# Altium PCB NURIP.PcbDoc (part 11 of 14)
Units mil, origin at the board's own origin, x right, y up, seen from the top; angles counter-clockwise.
Board outline 7096.64 x 6702.94 mil, 6 copper layers (L1, L2, L3, L4, L5, L6), stack 48.469 mil thick; 305 components, 426 nets, 2172 pads, 1040 vias.
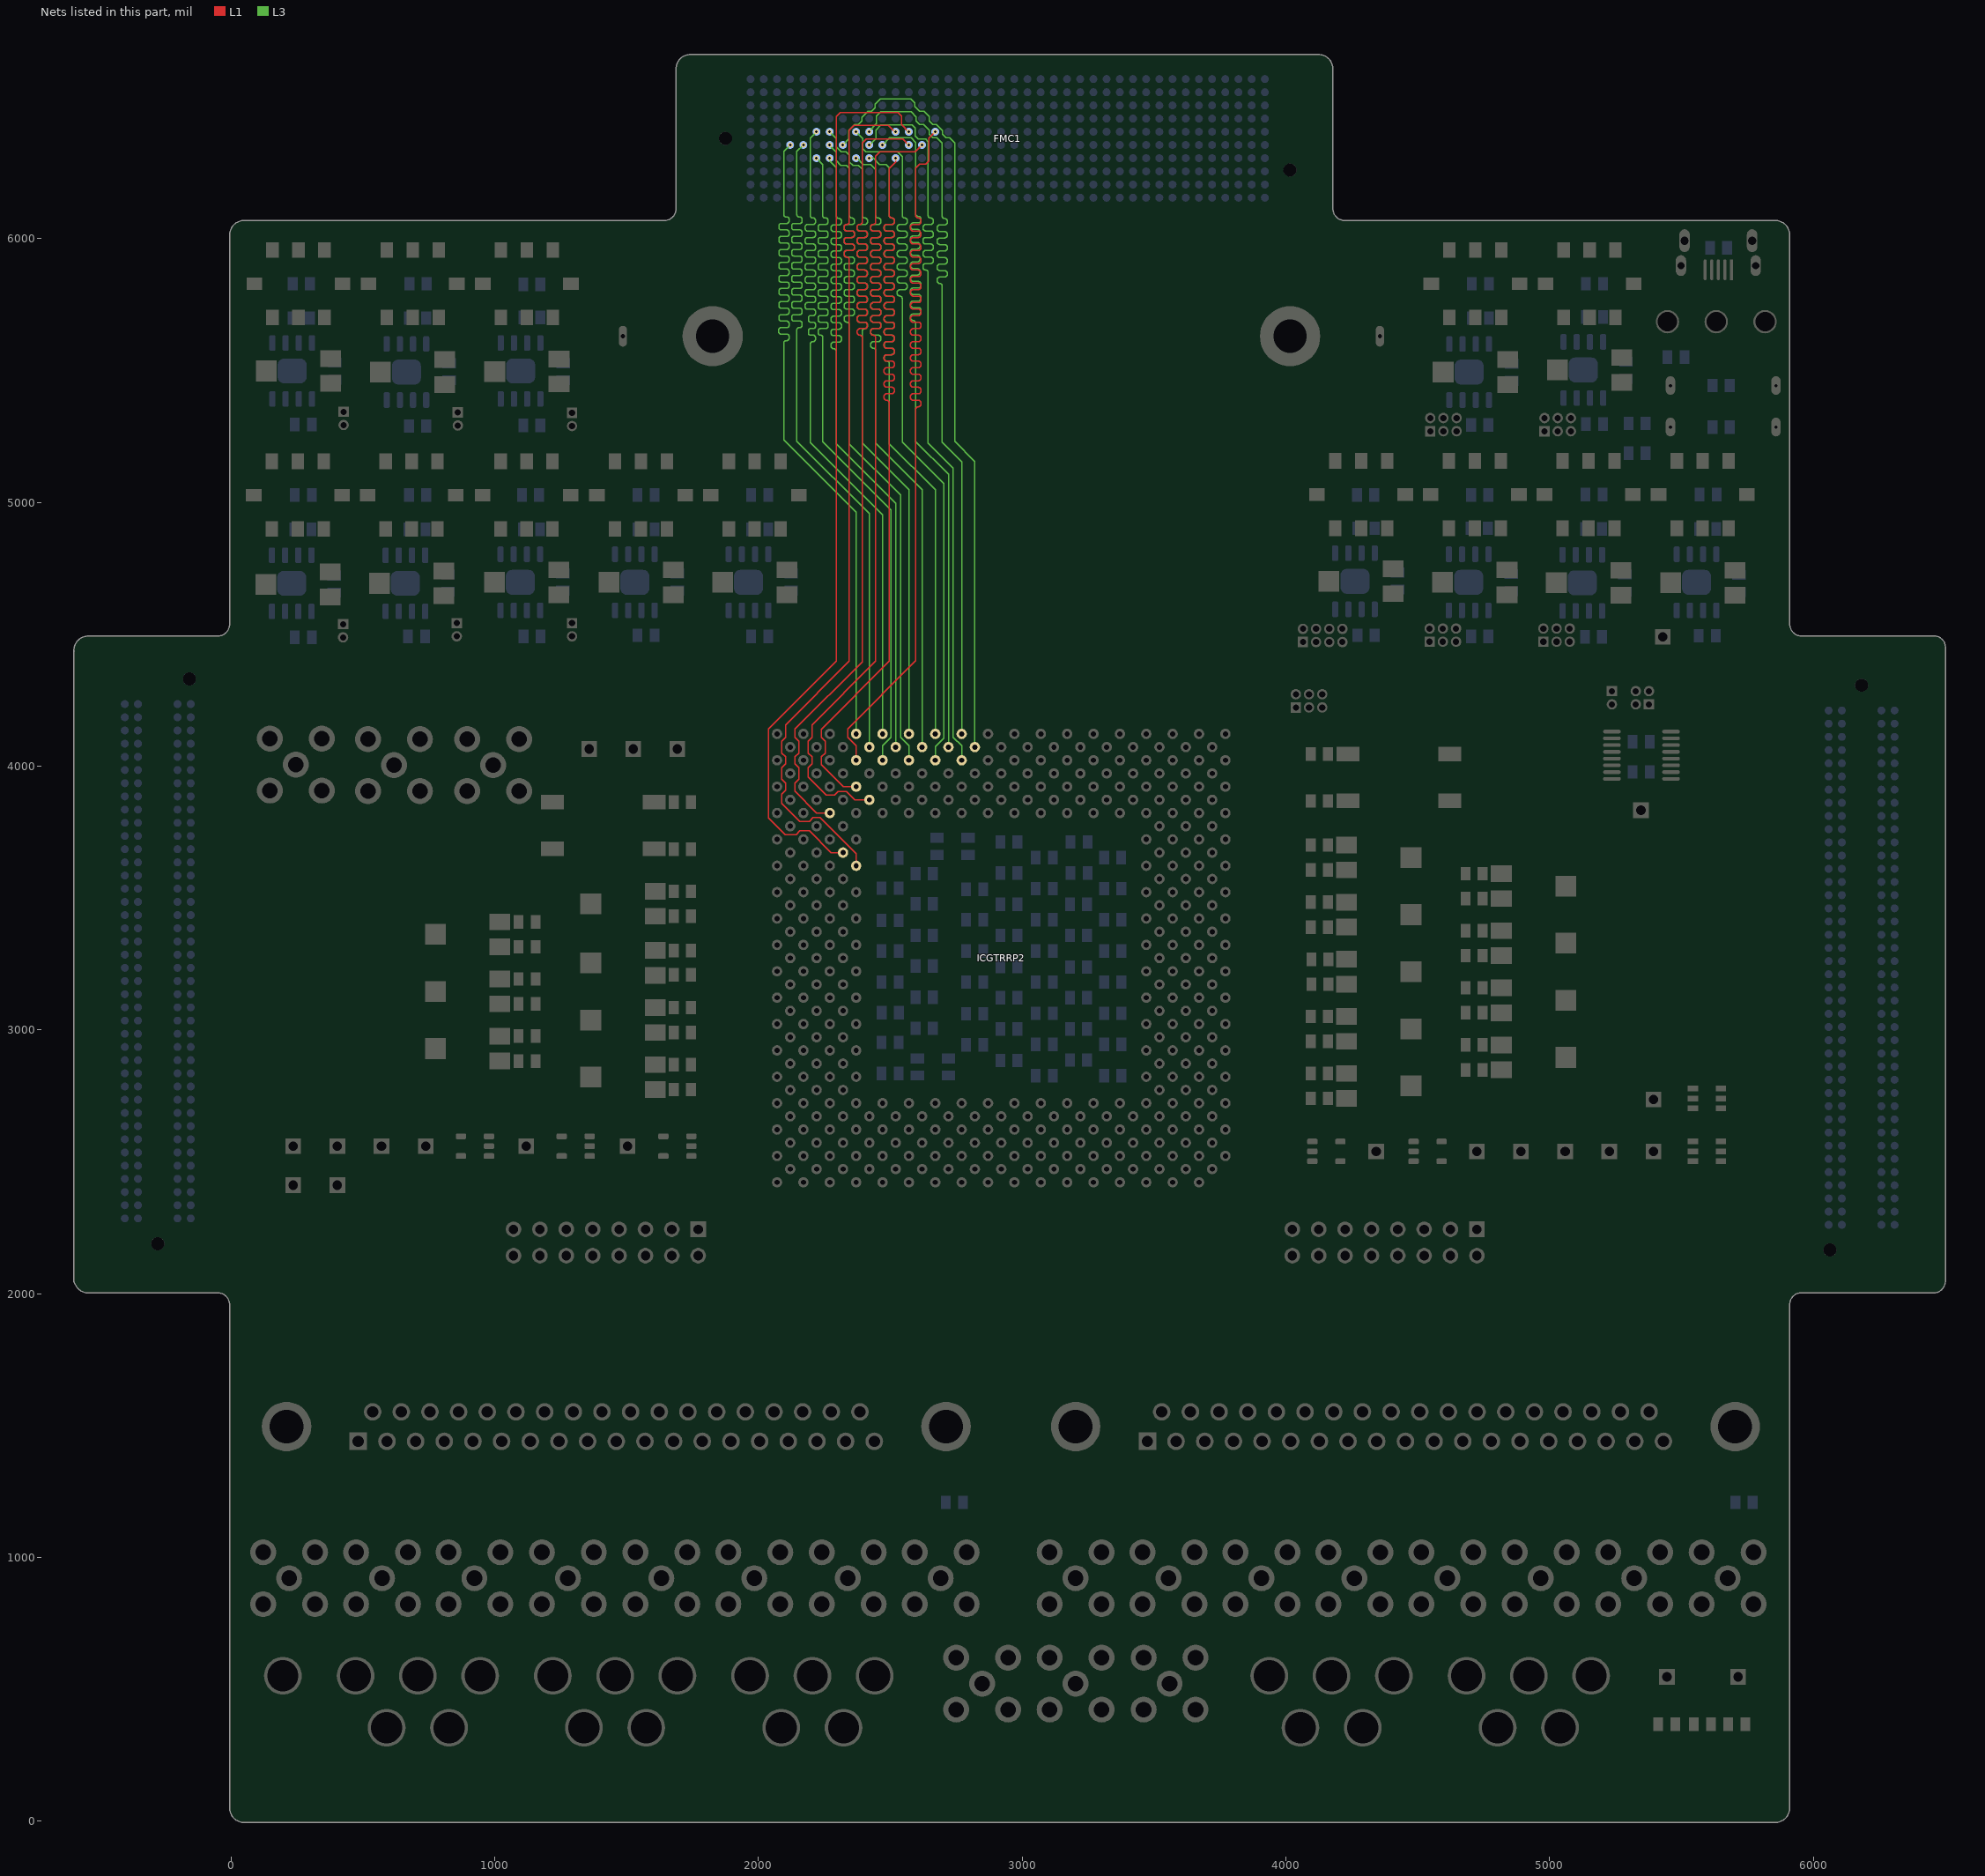
[diagram p15: the nets of this part, all layers, seen from the top]

## Via types
v1: diameter 20, hole 10, L1 to L6, tented both sides, 908 vias
v2: diameter 19.68, hole 7.87, L1 to L6, 126 vias
v3: diameter 196.85, hole 118.11, L1 to L6, 6 vias

## Nets (pads, with @x,y where several pads share a name; then routed paths per layer and width w, separated by ;. In a path a pad name is that pad's centre, name@x,y a point inside that pad or via, vN(x,y) a via of type N, cw(c..) or ccw(c..) an arc to the next point about the centre after c; other vN are vias at no path point) (continued)
OFF_MEM_DIN(10): FMC1.G12 ICGTRRP2.AL29 | length 3443.8
  L1 w5: ICGTRRP2.AL29@2370.71,3922.2 2321.89,3922.2 2238.52,4005.57 2238.52,4035.54 2252.89,4049.91 2252.89,4094.5 2238.52,4108.87 2238.52,4140.1 2496.06,4397.64 2496.06,5346.46 2496.06,5377.18 ccw(c2486.21,5377.18) 2486.21,5387.03 2486.39,5387.03 cw(c2486.4,5396.9) 2476.52,5396.9 2476.52,5401.84 cw(c2486.4,5401.84) 2486.4,5411.71 2496.06,5411.71 2505.73,5411.71 ccw(c2505.73,5421.59) 2515.6,5421.59 2515.6,5426.52 ccw(c2505.73,5426.52) 2505.73,5436.4 2496.06,5436.4 2486.4,5436.4 cw(c2486.4,5446.27) 2476.52,5446.27 2476.52,5451.21 cw(c2486.4,5451.21) 2486.4,5461.08 2496.06,5461.08 2505.73,5461.08 ccw(c2505.73,5470.96) 2515.6,5470.96 2515.6,5475.89 ccw(c2505.73,5475.89) 2505.73,5485.77 2496.06,5485.77 2486.4,5485.77 cw(c2486.4,5495.64) 2476.52,5495.64 2476.52,5500.58 cw(c2486.4,5500.58) 2486.4,5510.45 2496.06,5510.45 2505.73,5510.45 ccw(c2505.73,5520.33) 2515.6,5520.33 2515.6,5525.26 ccw(c2505.73,5525.26) 2505.73,5535.14 2496.06,5535.14 2486.4,5535.14 cw(c2486.4,5545.01) 2476.52,5545.01 2476.52,5549.95 cw(c2486.4,5549.95) 2486.4,5559.82 2496.06,5559.82 2505.73,5559.82 ccw(c2505.73,5569.7) 2515.6,5569.7 2515.6,5574.63 ccw(c2505.73,5574.63) 2505.73,5584.51 2496.06,5584.51 2486.4,5584.51 cw(c2486.4,5594.38) 2476.52,5594.38 2476.52,5599.32 cw(c2486.4,5599.32) 2486.4,5609.19 2496.06,5609.19 2505.73,5609.19 ccw(c2505.73,5619.07) 2515.6,5619.07 2515.6,5624 ccw(c2505.73,5624) 2505.73,5633.88 2496.06,5633.88 2486.4,5633.88 cw(c2486.4,5643.75) 2476.52,5643.75 2476.52,5648.69 cw(c2486.4,5648.69) 2486.4,5658.56 2496.06,5658.56 2505.73,5658.56 ccw(c2505.73,5668.44) 2515.6,5668.44 2515.6,5673.37 ccw(c2505.73,5673.37) 2505.73,5683.25 2496.06,5683.25 2486.4,5683.25 cw(c2486.4,5693.12) 2476.52,5693.12 2476.52,5698.06 cw(c2486.4,5698.06) 2486.4,5707.93 2496.06,5707.93 2505.73,5707.93 ccw(c2505.73,5717.81) 2515.6,5717.81 2515.6,5722.74 ccw(c2505.73,5722.74) 2505.73,5732.62 2496.06,5732.62 2486.4,5732.62 cw(c2486.4,5742.49) 2476.52,5742.49 2476.52,5747.43 cw(c2486.4,5747.43) 2486.4,5757.3 2496.06,5757.3 2505.73,5757.3 ccw(c2505.73,5767.18) 2515.6,5767.18 2515.6,5772.11 ccw(c2505.73,5772.11) 2505.73,5781.99 2496.06,5781.99 2486.4,5781.99 cw(c2486.4,5791.86) 2476.52,5791.86 2476.52,5796.8 cw(c2486.4,5796.8) 2486.4,5806.67 2496.06,5806.67 2505.73,5806.67 ccw(c2505.73,5816.55) 2515.6,5816.55 2515.6,5821.48 ccw(c2505.73,5821.48) 2505.73,5831.36 2496.06,5831.36 2486.4,5831.36 cw(c2486.4,5841.23) 2476.52,5841.23 2476.52,5846.17 cw(c2486.4,5846.17) 2486.4,5856.04 2496.06,5856.04 2505.73,5856.04 ccw(c2505.73,5865.92) 2515.6,5865.92 2515.6,5870.85 ccw(c2505.73,5870.85) 2505.73,5880.73 2496.06,5880.73 2486.4,5880.73 cw(c2486.4,5890.6) 2476.52,5890.6 2476.52,5895.54 cw(c2486.4,5895.54) 2486.4,5905.41 2496.06,5905.41 2505.73,5905.41 ccw(c2505.73,5915.29) 2515.6,5915.29 2515.6,5920.22 ccw(c2505.73,5920.22) 2505.73,5930.1 2496.06,5930.1 2486.4,5930.1 cw(c2486.4,5939.97) 2476.52,5939.97 2476.52,5944.91 cw(c2486.4,5944.91) 2486.4,5954.78 2496.06,5954.78 2505.73,5954.78 ccw(c2505.73,5964.66) 2515.6,5964.66 2515.6,5969.59 ccw(c2505.73,5969.59) 2505.73,5979.47 2496.06,5979.47 2486.4,5979.47 cw(c2486.4,5989.34) 2476.52,5989.34 2476.52,5994.28 cw(c2486.4,5994.28) 2486.4,6004.15 2496.06,6004.15 2505.73,6004.15 ccw(c2505.73,6014.03) 2515.6,6014.03 2515.6,6018.96 ccw(c2505.73,6018.96) 2505.73,6028.84 2496.06,6028.84 2486.4,6028.84 cw(c2486.4,6038.71) 2476.52,6038.71 2476.52,6043.65 cw(c2486.4,6043.65) 2486.4,6053.52 2496.06,6053.52 2505.92,6053.52 ccw(c2505.92,6063.4) 2515.79,6063.4 2515.79,6068.33 ccw(c2505.92,6068.33) 2505.92,6078.21 cw(c2505.92,6088.06) 2496.06,6088.06 2496.06,6090.55 2496.06,6265.75 2520.24,6289.92 v1(2520.24,6304.92)
OFF_MEM_DIN(11): FMC1.F14 ICGTRRP2.AK28 | length 3444.6
  L1 w5: ICGTRRP2.AK28@2420.71,3872.2 2366.23,3872.2 2334.04,3904.39 2302.89,3904.39 2288.52,3890.02 2257.38,3890.02 2188.52,3958.87 2188.52,3994.5 2202.89,4008.87 2202.89,4035.54 2188.52,4049.91 2188.52,4094.5 2202.89,4108.87 2202.89,4155.65 2444.88,4397.64 2444.88,5529.53 2444.88,5624.03 ccw(c2435.03,5624.03) 2435.03,5633.88 2435.61,5633.88 ; 2435.64,5633.88 cw(c2435.64,5643.75) 2425.77,5643.75 2425.77,5648.69 cw(c2435.64,5648.69) 2435.64,5658.56 2444.88,5658.56 2454.12,5658.56 ccw(c2454.12,5668.44) 2463.99,5668.44 2463.99,5673.37 ccw(c2454.12,5673.37) 2454.12,5683.25 2444.88,5683.25 2435.64,5683.25 cw(c2435.64,5693.12) 2425.77,5693.12 2425.77,5698.06 cw(c2435.64,5698.06) 2435.64,5707.93 2444.88,5707.93 2454.12,5707.93 ccw(c2454.12,5717.81) 2463.99,5717.81 2463.99,5722.74 ccw(c2454.12,5722.74) 2454.12,5732.62 2444.88,5732.62 2435.64,5732.62 cw(c2435.64,5742.49) 2425.77,5742.49 2425.77,5747.43 cw(c2435.64,5747.43) 2435.64,5757.3 2444.88,5757.3 2454.12,5757.3 ccw(c2454.12,5767.18) 2463.99,5767.18 2463.99,5772.11 ccw(c2454.12,5772.11) 2454.12,5781.99 2444.88,5781.99 2435.64,5781.99 cw(c2435.64,5791.86) 2425.77,5791.86 2425.77,5796.8 cw(c2435.64,5796.8) 2435.64,5806.67 2444.88,5806.67 2454.12,5806.67 ccw(c2454.12,5816.55) 2463.99,5816.55 2463.99,5821.48 ccw(c2454.12,5821.48) 2454.12,5831.36 2444.88,5831.36 2435.64,5831.36 cw(c2435.64,5841.23) 2425.77,5841.23 2425.77,5846.17 cw(c2435.64,5846.17) 2435.64,5856.04 2444.88,5856.04 2454.12,5856.04 ccw(c2454.12,5865.92) 2463.99,5865.92 2463.99,5870.85 ccw(c2454.12,5870.85) 2454.12,5880.73 2444.88,5880.73 2435.64,5880.73 cw(c2435.64,5890.6) 2425.77,5890.6 2425.77,5895.54 cw(c2435.64,5895.54) 2435.64,5905.41 2444.88,5905.41 2454.12,5905.41 ccw(c2454.12,5915.29) 2463.99,5915.29 2463.99,5920.22 ccw(c2454.12,5920.22) 2454.12,5930.1 2444.88,5930.1 2435.64,5930.1 cw(c2435.64,5939.97) 2425.77,5939.97 2425.77,5944.91 cw(c2435.64,5944.91) 2435.64,5954.78 2444.88,5954.78 2454.12,5954.78 ccw(c2454.12,5964.66) 2463.99,5964.66 2463.99,5969.59 ccw(c2454.12,5969.59) 2454.12,5979.47 2444.88,5979.47 2435.64,5979.47 cw(c2435.64,5989.34) 2425.77,5989.34 2425.77,5994.28 cw(c2435.64,5994.28) 2435.64,6004.15 2444.88,6004.15 2454.12,6004.15 ccw(c2454.12,6014.03) 2463.99,6014.03 2463.99,6018.96 ccw(c2454.12,6018.96) 2454.12,6028.84 2444.88,6028.84 2435.03,6028.84 cw(c2435.03,6038.71) 2425.15,6038.71 2425.15,6043.65 cw(c2435.03,6043.65) 2435.03,6053.52 ccw(c2435.03,6063.38) 2444.88,6063.38 2444.88,6078.21 2444.88,6090.55 2444.88,6312.99 2461.06,6329.17 2594.49,6329.17 v1(2620.24,6354.92)
OFF_MEM_DIN(12): FMC1.E15 ICGTRRP2.AN29 | length 3437.2
  L1 w5: ICGTRRP2.AN29@2370.71,4022.2 2370.71,4076.69 2338.52,4108.87 2338.52,4141.67 2596.46,4399.61 2596.46,5265.75 2596.46,5352.49 cw(c2606.31,5352.49) 2606.31,5362.34 ccw(c2606.31,5372.22) 2616.18,5372.22 2616.18,5377.15 ccw(c2606.31,5377.15) 2606.31,5387.03 2596.46,5387.03 2586.6,5387.03 cw(c2586.6,5396.9) 2576.73,5396.9 2576.73,5401.84 cw(c2586.6,5401.84) 2586.6,5411.71 2596.46,5411.71 2606.31,5411.71 ccw(c2606.31,5421.59) 2616.18,5421.59 2616.18,5426.52 ccw(c2606.31,5426.52) 2606.31,5436.4 2596.46,5436.4 2586.6,5436.4 cw(c2586.6,5446.27) 2576.73,5446.27 2576.73,5451.21 cw(c2586.6,5451.21) 2586.6,5461.08 2596.46,5461.08 2606.31,5461.08 ccw(c2606.31,5470.96) 2616.18,5470.96 2616.18,5475.89 ccw(c2606.31,5475.89) 2606.31,5485.77 2596.46,5485.77 2586.6,5485.77 cw(c2586.6,5495.64) 2576.73,5495.64 2576.73,5500.58 cw(c2586.6,5500.58) 2586.6,5510.45 2596.46,5510.45 2606.31,5510.45 ccw(c2606.31,5520.33) 2616.18,5520.33 2616.18,5525.26 ccw(c2606.31,5525.26) 2606.31,5535.14 2596.46,5535.14 2586.6,5535.14 cw(c2586.6,5545.01) 2576.73,5545.01 2576.73,5549.95 cw(c2586.6,5549.95) 2586.6,5559.82 2596.46,5559.82 2606.31,5559.82 ccw(c2606.31,5569.7) 2616.18,5569.7 2616.18,5574.63 ccw(c2606.31,5574.63) 2606.31,5584.51 2596.46,5584.51 2586.6,5584.51 cw(c2586.6,5594.38) 2576.73,5594.38 2576.73,5599.32 cw(c2586.6,5599.32) 2586.6,5609.19 2596.46,5609.19 2606.31,5609.19 ccw(c2606.31,5619.07) 2616.18,5619.07 2616.18,5624 ccw(c2606.31,5624) 2606.31,5633.88 2596.46,5633.88 2586.6,5633.88 cw(c2586.6,5643.75) 2576.73,5643.75 2576.73,5648.69 cw(c2586.6,5648.69) 2586.6,5658.56 2596.46,5658.56 2606.31,5658.56 ccw(c2606.31,5668.44) 2616.18,5668.44 2616.18,5673.37 ccw(c2606.31,5673.37) 2606.31,5683.25 2596.46,5683.25 2586.6,5683.25 cw(c2586.6,5693.12) 2576.73,5693.12 2576.73,5698.06 cw(c2586.6,5698.06) 2586.6,5707.93 2596.46,5707.93 2606.31,5707.93 ccw(c2606.31,5717.81) 2616.18,5717.81 2616.18,5722.74 ccw(c2606.31,5722.74) 2606.31,5732.62 2596.46,5732.62 2586.6,5732.62 cw(c2586.6,5742.49) 2576.73,5742.49 2576.73,5747.43 cw(c2586.6,5747.43) 2586.6,5757.3 2596.46,5757.3 2606.31,5757.3 ccw(c2606.31,5767.18) 2616.18,5767.18 2616.18,5772.11 ccw(c2606.31,5772.11) 2606.31,5781.99 2596.46,5781.99 2586.6,5781.99 cw(c2586.6,5791.86) 2576.73,5791.86 2576.73,5796.8 cw(c2586.6,5796.8) 2586.6,5806.67 2596.46,5806.67 2606.31,5806.67 ccw(c2606.31,5816.55) 2616.18,5816.55 2616.18,5821.48 ccw(c2606.31,5821.48) 2606.31,5831.36 2596.46,5831.36 2586.6,5831.36 cw(c2586.6,5841.23) 2576.73,5841.23 2576.73,5846.17 cw(c2586.6,5846.17) 2586.6,5856.04 2596.46,5856.04 2606.31,5856.04 ccw(c2606.31,5865.92) 2616.18,5865.92 2616.18,5870.85 ccw(c2606.31,5870.85) 2606.31,5880.73 2596.46,5880.73 2586.6,5880.73 cw(c2586.6,5890.6) 2576.73,5890.6 2576.73,5895.54 cw(c2586.6,5895.54) 2586.6,5905.41 2596.46,5905.41 2606.31,5905.41 ccw(c2606.31,5915.29) 2616.18,5915.29 2616.18,5920.22 ccw(c2606.31,5920.22) 2606.31,5930.1 2596.46,5930.1 2586.6,5930.1 cw(c2586.6,5939.97) 2576.73,5939.97 2576.73,5944.91 cw(c2586.6,5944.91) 2586.6,5954.78 2596.46,5954.78 2606.31,5954.78 ccw(c2606.31,5964.66) 2616.18,5964.66 2616.18,5969.59 ccw(c2606.31,5969.59) 2606.31,5979.47 2596.46,5979.47 2586.6,5979.47 cw(c2586.6,5989.34) 2576.73,5989.34 2576.73,5994.28 cw(c2586.6,5994.28) 2586.6,6004.15 2596.46,6004.15 2606.31,6004.15 ccw(c2606.31,6014.03) 2616.18,6014.03 2616.18,6018.96 ccw(c2606.31,6018.96) 2606.31,6028.84 2596.46,6028.84 2586.6,6028.84 cw(c2586.6,6038.71) 2576.73,6038.71 2576.73,6043.65 cw(c2586.6,6043.65) 2586.6,6053.52 2596.46,6053.52 2606.31,6053.52 ccw(c2606.31,6063.4) 2616.18,6063.4 2616.18,6068.33 ccw(c2606.31,6068.33) 2606.31,6078.21 cw(c2606.31,6088.06) 2596.46,6088.06 2596.46,6090.55 2596.46,6267.72 2611.16,6282.42 2634.78,6282.42 2645.67,6293.31 2645.67,6380.35 v1(2670.24,6404.92)
OFF_MEM_DIN(13): FMC1.F13 ICGTRRP2.AJ31 | length 3444.6
  L1 w5: ICGTRRP2.AJ31@2270.71,3822.2 2221.1,3822.2 2138.52,3904.78 2138.52,3935.54 2152.89,3949.91 2152.89,3994.5 2138.52,4008.87 2138.52,4035.54 2152.89,4049.91 2152.89,4094.5 2138.52,4108.87 2138.52,4140.49 2393.7,4395.67 2393.7,5533.46 2393.7,5624.03 ccw(c2383.85,5624.03) 2383.85,5633.88 ; 2383.89,5633.88 2384.46,5633.88 ; 2384.49,5633.88 cw(c2384.49,5643.75) 2374.62,5643.75 2374.62,5648.69 cw(c2384.49,5648.69) 2384.49,5658.56 2393.7,5658.56 2402.91,5658.56 ccw(c2402.91,5668.44) 2412.78,5668.44 2412.78,5673.37 ccw(c2402.91,5673.37) 2402.91,5683.25 2393.7,5683.25 2384.49,5683.25 cw(c2384.49,5693.12) 2374.62,5693.12 2374.62,5698.06 cw(c2384.49,5698.06) 2384.49,5707.93 2393.7,5707.93 2402.91,5707.93 ccw(c2402.91,5717.81) 2412.78,5717.81 2412.78,5722.74 ccw(c2402.91,5722.74) 2402.91,5732.62 2393.7,5732.62 2384.49,5732.62 cw(c2384.49,5742.49) 2374.62,5742.49 2374.62,5747.43 cw(c2384.49,5747.43) 2384.49,5757.3 2393.7,5757.3 2402.91,5757.3 ccw(c2402.91,5767.18) 2412.78,5767.18 2412.78,5772.11 ccw(c2402.91,5772.11) 2402.91,5781.99 2393.7,5781.99 2384.49,5781.99 cw(c2384.49,5791.86) 2374.62,5791.86 2374.62,5796.8 cw(c2384.49,5796.8) 2384.49,5806.67 2393.7,5806.67 2402.91,5806.67 ccw(c2402.91,5816.55) 2412.78,5816.55 2412.78,5821.48 ccw(c2402.91,5821.48) 2402.91,5831.36 2393.7,5831.36 2384.49,5831.36 cw(c2384.49,5841.23) 2374.62,5841.23 2374.62,5846.17 cw(c2384.49,5846.17) 2384.49,5856.04 2393.7,5856.04 2402.91,5856.04 ccw(c2402.91,5865.92) 2412.78,5865.92 2412.78,5870.85 ccw(c2402.91,5870.85) 2402.91,5880.73 2393.7,5880.73 2384.49,5880.73 cw(c2384.49,5890.6) 2374.62,5890.6 2374.62,5895.54 cw(c2384.49,5895.54) 2384.49,5905.41 2393.7,5905.41 2402.91,5905.41 ccw(c2402.91,5915.29) 2412.78,5915.29 2412.78,5920.22 ccw(c2402.91,5920.22) 2402.91,5930.1 2393.7,5930.1 2384.49,5930.1 cw(c2384.49,5939.97) 2374.62,5939.97 2374.62,5944.91 cw(c2384.49,5944.91) 2384.49,5954.78 2393.7,5954.78 2402.91,5954.78 ccw(c2402.91,5964.66) 2412.78,5964.66 2412.78,5969.59 ccw(c2402.91,5969.59) 2402.91,5979.47 2393.7,5979.47 2384.49,5979.47 cw(c2384.49,5989.34) 2374.62,5989.34 2374.62,5994.28 cw(c2384.49,5994.28) 2384.49,6004.15 2393.7,6004.15 2402.91,6004.15 ccw(c2402.91,6014.03) 2412.78,6014.03 2412.78,6018.96 ccw(c2402.91,6018.96) 2402.91,6028.84 2393.7,6028.84 2383.85,6028.84 cw(c2383.85,6038.71) 2373.97,6038.71 2373.97,6043.65 cw(c2383.85,6043.65) 2383.85,6053.52 ccw(c2383.85,6063.38) 2393.7,6063.38 2393.7,6078.21 2393.7,6090.55 2393.7,6362.2 2409.45,6377.95 2547.2,6377.95 v1(2570.24,6354.92)
OFF_MEM_DIN(14): FMC1.E13 ICGTRRP2.AF30 | length 3443.4
  L1 w5: ICGTRRP2.AF30@2320.71,3672.2 2275.19,3672.2 2193.01,3754.39 2157.38,3754.39 2143.01,3740.02 2102.5,3740.02 2038.52,3804 2038.52,4140.89 2295.28,4397.64 2295.28,6462.6 2310.1,6477.42 2529.56,6477.42 2542.74,6464.24 2542.74,6432.42 v1(2570.24,6404.92)
OFF_MEM_DIN(15): FMC1.E12 ICGTRRP2.AE29 | length 3440.7
  L1 w5: ICGTRRP2.AE29@2370.71,3622.2 2370.71,3667.72 2234.04,3804.39 2207.38,3804.39 2193.01,3790.02 2157.38,3790.02 2088.52,3858.87 2088.52,3894.5 2102.89,3908.87 2102.89,3935.54 2088.52,3949.91 2088.52,3994.5 2102.89,4008.87 2102.89,4035.54 2088.52,4049.91 2088.52,4094.5 2102.89,4108.87 2102.89,4156.04 2344.49,4397.64 2344.49,5874.02 2344.49,5920.25 ccw(c2334.64,5920.25) 2334.64,5930.1 cw(c2334.64,5939.97) 2324.76,5939.97 2324.76,5944.91 cw(c2334.64,5944.91) 2334.64,5954.78 2344.49,5954.78 2354.34,5954.78 ccw(c2354.34,5964.66) 2364.22,5964.66 2364.22,5969.59 ccw(c2354.34,5969.59) 2354.34,5979.47 2344.49,5979.47 2334.64,5979.47 cw(c2334.64,5989.34) 2324.76,5989.34 2324.76,5994.28 cw(c2334.64,5994.28) 2334.64,6004.15 2344.49,6004.15 2354.34,6004.15 ccw(c2354.34,6014.03) 2364.22,6014.03 2364.22,6018.96 ccw(c2354.34,6018.96) 2354.34,6028.84 2344.49,6028.84 2334.64,6028.84 cw(c2334.64,6038.71) 2324.76,6038.71 2324.76,6043.65 cw(c2334.64,6043.65) 2334.64,6053.52 ccw(c2334.64,6063.38) 2344.49,6063.38 2344.49,6078.21 2344.49,6090.55 2344.49,6411.42 2362.2,6429.13 2492.99,6429.13 2517.2,6404.92 v1(2520.24,6404.92)
OFF_MEM_DOUT(0): FMC1.F8 ICGTRRP2.AP20 | length 2948.6
  L3 w5: v1(2320.24,6354.92) 2342.74,6377.42 2342.74,6409.67 2365.49,6432.42 2379.56,6432.42 2392.74,6445.6 2392.74,6459.24 2415.92,6482.42 2429.56,6482.42 2442.74,6495.6 2442.74,6509.67 2462.6,6529.53 2577.45,6529.53 2592.74,6514.24 2592.74,6500.6 2610.92,6482.42 2627.81,6482.42 2647.74,6462.5 2647.74,6445.6 2660.92,6432.42 2674.56,6432.42 2697.74,6409.24 2697.74,6395.6 2710.92,6382.42 2724.56,6382.42 2744.09,6362.88 2744.09,5232.28 2820.71,5155.67 ICGTRRP2.AP20@2820.71,4072.2
OFF_MEM_DOUT(1): FMC1.E10 ICGTRRP2.AR21 | length 2949.5
  L3 w5: v1(2420.24,6404.92) 2420.24,6407.95 2447.74,6435.45 2447.74,6464.24 2463.81,6480.31 2578.74,6480.31 2597.74,6461.32 2597.74,6445.6 2610.92,6432.42 2626.63,6432.42 2647.74,6411.32 2647.74,6395.6 2660.92,6382.42 2676.63,6382.42 2696.85,6362.2 2696.85,6088.58 2696.85,6084.86 ccw(c2705.47,6084.86) 2705.47,6076.24 cw(c2705.47,6065.13) 2716.58,6065.13 2716.58,6062.66 cw(c2705.47,6062.66) 2705.47,6051.56 2696.85,6051.56 2688.7,6051.56 ccw(c2688.7,6040.45) 2677.59,6040.45 2677.59,6037.98 ccw(c2688.7,6037.98) 2688.7,6026.87 2696.85,6026.87 2705,6026.87 cw(c2705,6015.76) 2716.11,6015.76 2716.11,6013.29 cw(c2705,6013.29) 2705,6002.19 2696.85,6002.19 2688.7,6002.19 ccw(c2688.7,5991.08) 2677.59,5991.08 2677.59,5988.61 ccw(c2688.7,5988.61) 2688.7,5977.5 2696.85,5977.5 2705,5977.5 cw(c2705,5966.39) 2716.11,5966.39 2716.11,5963.92 cw(c2705,5963.92) 2705,5952.82 2696.85,5952.82 2688.7,5952.82 ccw(c2688.7,5941.71) 2677.59,5941.71 2677.59,5939.24 ccw(c2688.7,5939.24) 2688.7,5928.13 2696.85,5928.13 2705,5928.13 cw(c2705,5917.02) 2716.11,5917.02 2716.11,5914.55 cw(c2705,5914.55) 2705,5903.45 2696.85,5903.45 2688.7,5903.45 ccw(c2688.7,5892.34) 2677.59,5892.34 2677.59,5889.87 ccw(c2688.7,5889.87) 2688.7,5878.76 2696.85,5878.76 2705,5878.76 cw(c2705,5867.65) 2716.11,5867.65 2716.11,5865.18 cw(c2705,5865.18) 2705,5854.08 2696.85,5854.08 2688.7,5854.08 ccw(c2688.7,5842.97) 2677.59,5842.97 2677.59,5840.5 ccw(c2688.7,5840.5) 2688.7,5829.39 ; 2688.23,5829.39 cw(c2688.23,5820.77) 2696.85,5820.77 2696.85,5706.69 2696.85,5228.35 2771.65,5153.54 2771.65,4274.57 2770.71,4273.62 ICGTRRP2.AR21@2770.71,4122.2 ; 2688.28,5829.39 2688.65,5829.39
OFF_MEM_DOUT(2): FMC1.F10 ICGTRRP2.AN21 | length 2947.5
  L3 w5: v1(2420.24,6354.92) 2445.24,6379.92 2445.24,6411.74 2464.6,6431.1 2582.68,6431.1 2594.49,6419.29 2594.49,6389.76 2606.3,6377.95 2633.86,6377.95 2643.7,6368.11 2643.7,6090.55 2643.7,6086.83 ccw(c2652.32,6086.83) 2652.32,6078.21 cw(c2652.32,6067.1) 2663.43,6067.1 2663.43,6064.63 cw(c2652.32,6064.63) 2652.32,6053.52 2643.7,6053.52 2635.08,6053.52 ccw(c2635.08,6042.42) 2623.97,6042.42 2623.97,6039.95 ccw(c2635.08,6039.95) 2635.08,6028.84 2643.7,6028.84 2652.32,6028.84 cw(c2652.32,6017.73) 2663.43,6017.73 2663.43,6015.26 cw(c2652.32,6015.26) 2652.32,6004.15 2643.7,6004.15 2635.08,6004.15 ccw(c2635.08,5993.05) 2623.97,5993.05 2623.97,5990.58 ccw(c2635.08,5990.58) 2635.08,5979.47 2643.7,5979.47 2652.32,5979.47 cw(c2652.32,5968.36) 2663.43,5968.36 2663.43,5965.89 cw(c2652.32,5965.89) 2652.32,5954.78 2643.7,5954.78 2635.08,5954.78 ccw(c2635.08,5943.68) 2623.97,5943.68 2623.97,5941.21 ccw(c2635.08,5941.21) 2635.08,5930.1 2643.7,5930.1 2652.32,5930.1 cw(c2652.32,5918.99) 2663.43,5918.99 2663.43,5916.52 cw(c2652.32,5916.52) 2652.32,5905.41 2643.7,5905.41 2635.08,5905.41 ccw(c2635.08,5894.31) 2623.97,5894.31 2623.97,5891.84 ccw(c2635.08,5891.84) 2635.08,5880.73 cw(c2635.08,5872.11) 2643.7,5872.11 2643.7,5728.35 2643.7,5224.41 2738.52,5129.59 2738.52,4108.87 2770.71,4076.69 ICGTRRP2.AN21@2770.71,4022.2
OFF_MEM_DOUT(3): FMC1.F11 ICGTRRP2.AP22 | length 2945.3
  L3 w5: v1@2473.27,6354.92 v1(2470.24,6354.92) 2497.2,6381.89 2578.74,6381.89 2596.46,6364.17 2596.46,6096.46 2596.46,6093.93 ccw(c2606.27,6093.93) 2606.27,6084.11 cw(c2606.27,6074.24) 2616.14,6074.24 2616.14,6069.3 cw(c2606.27,6069.3) 2606.27,6059.43 2596.46,6059.43 2586.68,6059.43 ccw(c2586.68,6049.56) 2576.81,6049.56 2576.81,6044.62 ccw(c2586.68,6044.62) 2586.68,6034.74 2596.46,6034.74 2602.38,6034.74 cw(c2602.38,6024.87) 2612.25,6024.87 2612.25,6019.93 cw(c2602.38,6019.93) 2602.38,6010.06 2596.46,6010.06 2586.68,6010.06 ccw(c2586.68,6000.19) 2576.81,6000.19 2576.81,5995.25 ccw(c2586.68,5995.25) 2586.68,5985.37 2596.46,5985.37 2602.38,5985.37 cw(c2602.38,5975.5) 2612.25,5975.5 2612.25,5970.56 cw(c2602.38,5970.56) 2602.38,5960.69 2596.46,5960.69 2586.68,5960.69 ccw(c2586.68,5950.82) 2576.81,5950.82 2576.81,5945.88 ccw(c2586.68,5945.88) 2586.68,5936 2596.46,5936 2602.38,5936 cw(c2602.38,5926.13) 2612.25,5926.13 2612.25,5921.19 cw(c2602.38,5921.19) 2602.38,5911.32 2596.46,5911.32 2586.68,5911.32 ccw(c2586.68,5901.45) 2576.81,5901.45 2576.81,5896.51 ccw(c2586.68,5896.51) 2586.68,5886.63 2596.46,5886.63 2602.38,5886.63 cw(c2602.38,5876.76) 2612.25,5876.76 2612.25,5871.82 cw(c2602.38,5871.82) 2602.38,5861.95 2596.46,5861.95 2586.68,5861.95 ccw(c2586.68,5852.08) 2576.81,5852.08 2576.81,5847.14 ccw(c2586.68,5847.14) 2586.68,5837.26 2596.46,5837.26 2606.23,5837.26 cw(c2606.23,5827.39) 2616.11,5827.39 2616.11,5822.45 cw(c2606.23,5822.45) 2606.23,5812.58 2596.46,5812.58 2586.68,5812.58 ccw(c2586.68,5802.71) 2576.81,5802.71 2576.81,5797.77 ccw(c2586.68,5797.77) 2586.68,5787.89 2596.46,5787.89 2606.23,5787.89 cw(c2606.23,5778.02) 2616.11,5778.02 2616.11,5773.08 cw(c2606.23,5773.08) 2606.23,5763.21 2596.46,5763.21 2586.68,5763.21 ccw(c2586.68,5753.34) 2576.81,5753.34 2576.81,5748.4 ccw(c2586.68,5748.4) 2586.68,5738.52 2596.46,5738.52 2606.23,5738.52 cw(c2606.23,5728.65) 2616.11,5728.65 2616.11,5723.71 cw(c2606.23,5723.71) 2606.23,5713.84 2596.46,5713.84 2586.68,5713.84 ccw(c2586.68,5703.97) 2576.81,5703.97 2576.81,5699.03 ccw(c2586.68,5699.03) 2586.68,5689.15 ; 2586.65,5689.15 cw(c2586.65,5679.34) 2596.46,5679.34 2596.46,5588.58 2596.46,5230.31 2720.71,5106.06 ICGTRRP2.AP22@2720.71,4072.2